# KiCad board SF_01 Compute Board.kicad_pcb (continued)
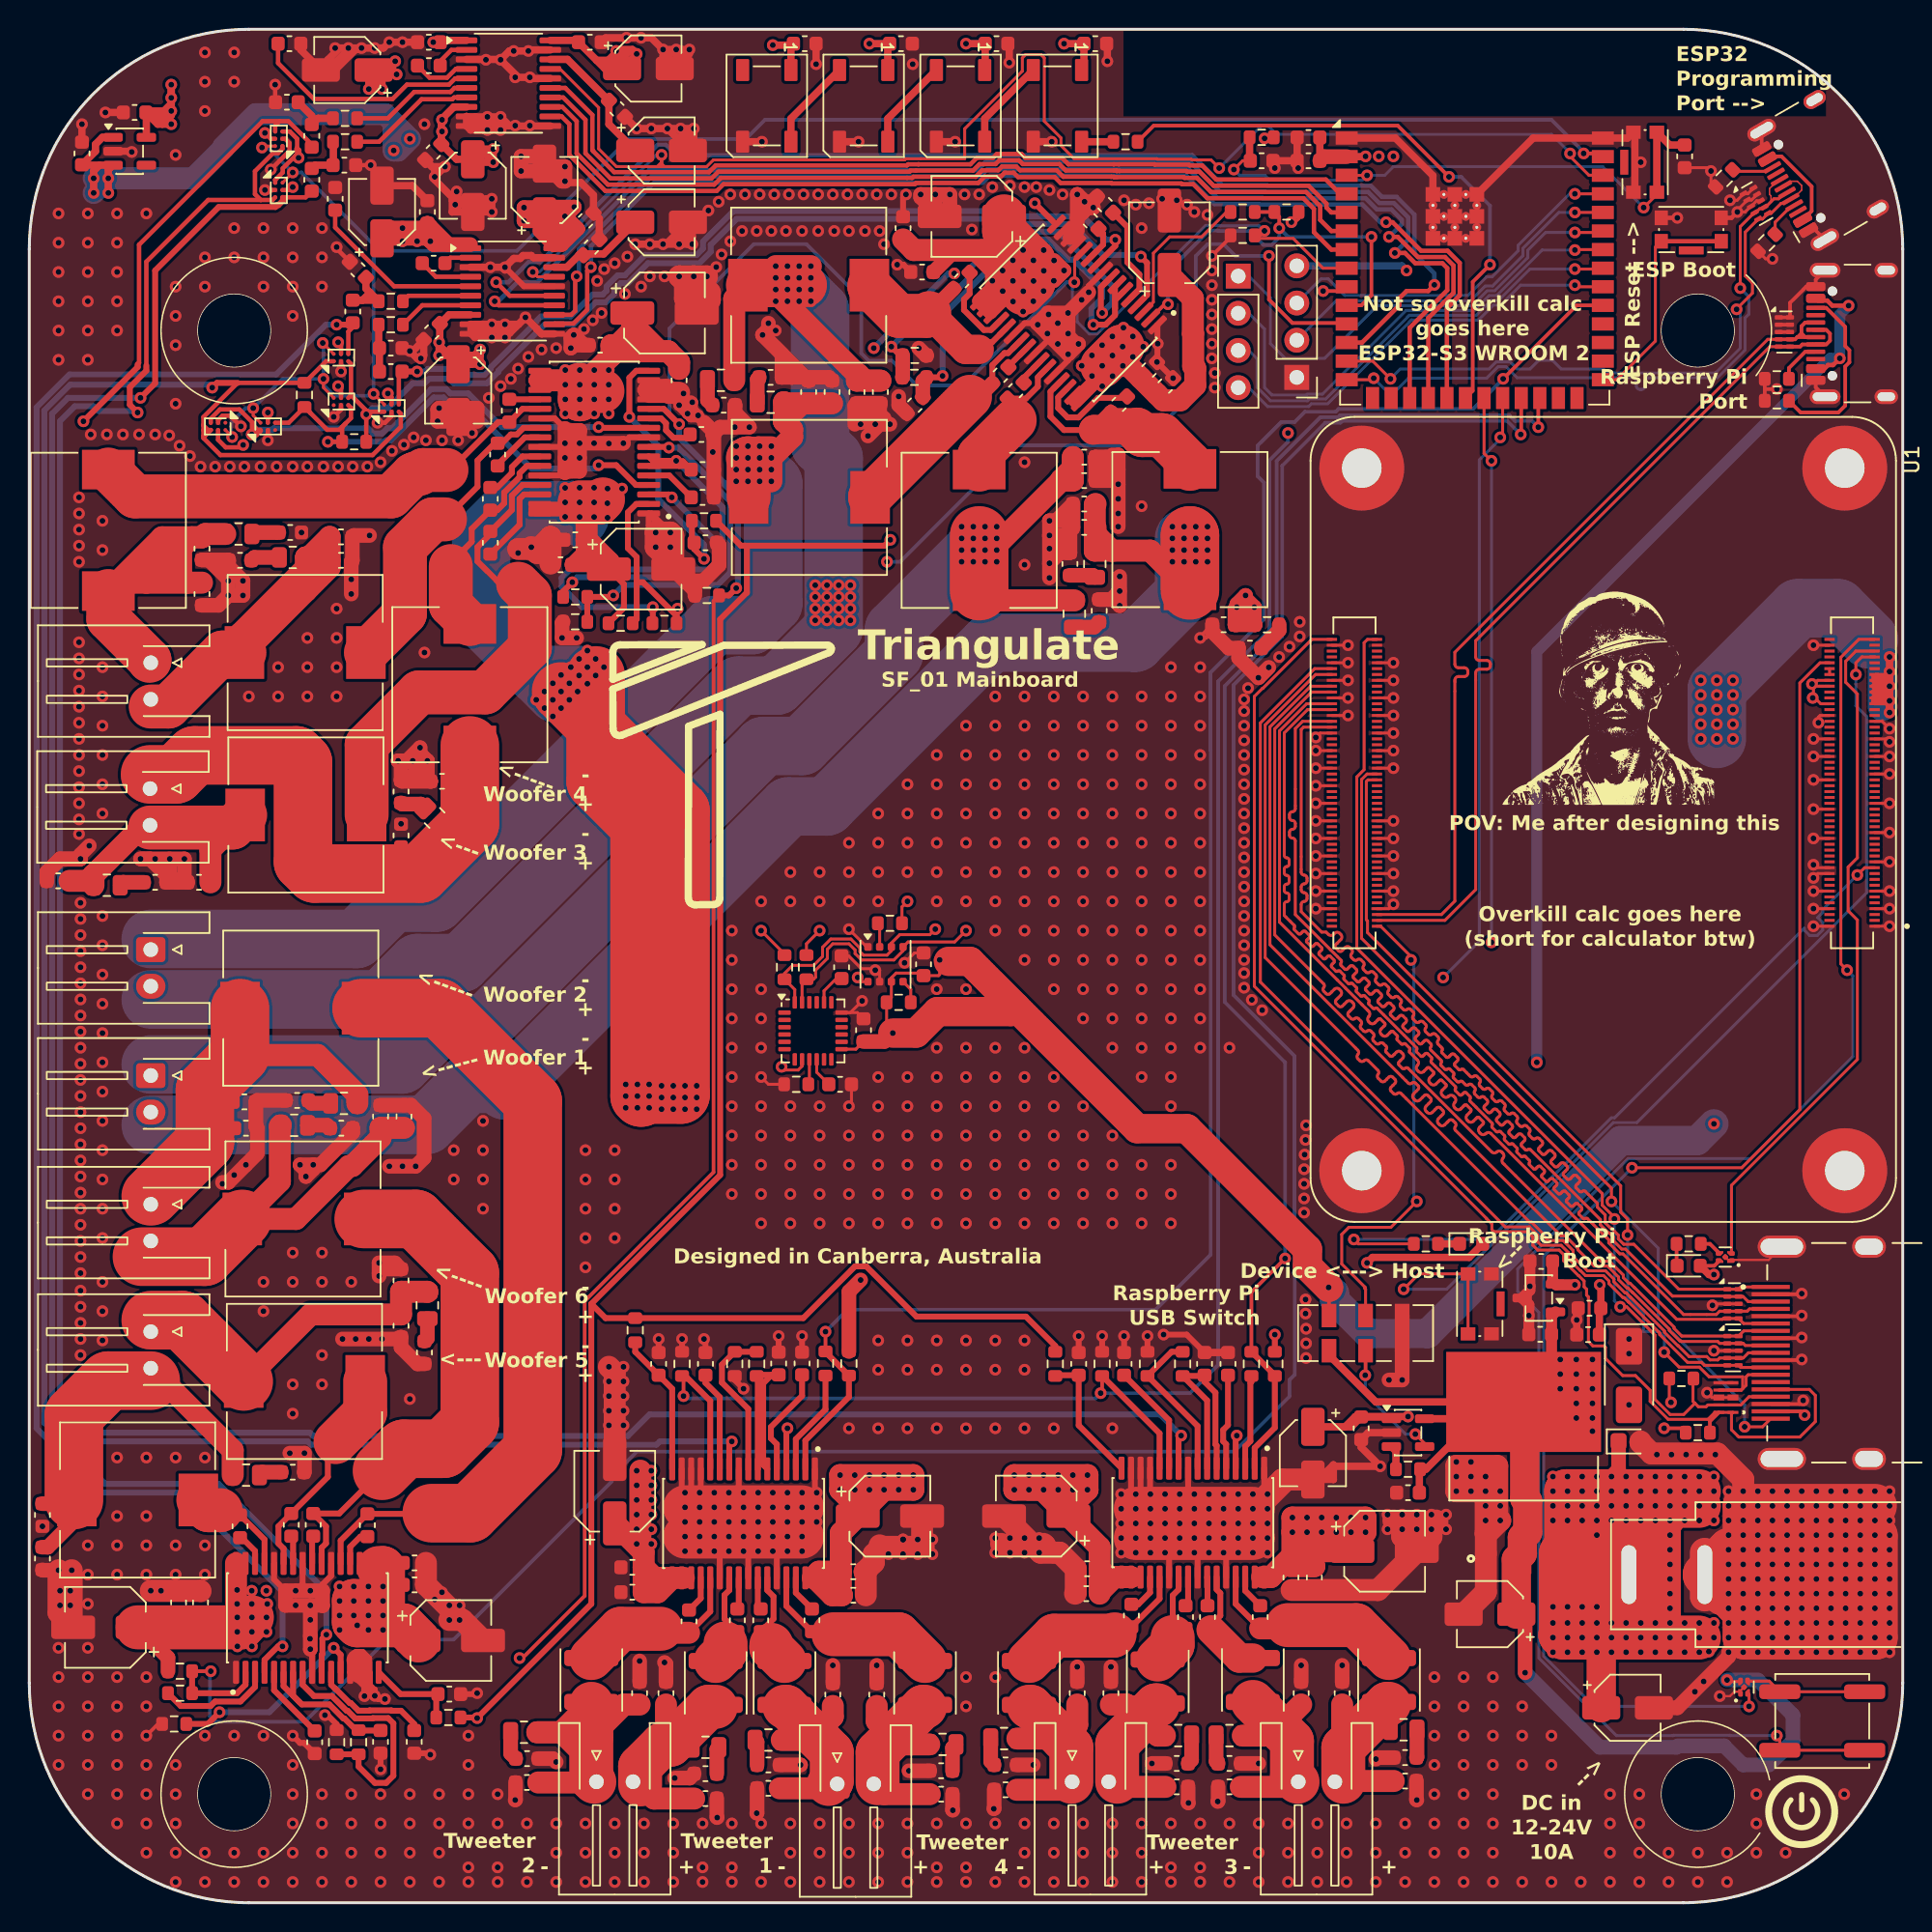
[diagram p0: board, top side]
## Library data of the parts
C1 C2 C4-C14 C17 C19-C21 C23 C24 C26 C28-C31 C34-C39 C42-C44 C46 C48-C50 C52 C53 C55-C72 C75-C77 C79-C82 C84-C99 C102 C103 C105-C109 C111-C128 C131 C132 C134-C138 C140-C160 C162-C166 C168-C186 C188 C190 = -: Description: Unpolarized capacitor; ki_fp_filters: C_*
C3 C15 C16 C18 C22 C25 C27 C32 C33 C40 C41 C51 C54 C78 C83 C104 C110 C133 C139 C161 C167 = -: Description: Polarized capacitor; ki_fp_filters: CP_*
C45 C47 = -: Description: Unpolarized capacitor; KiLib_Generator: SMD_2terminal_chip_molded; ki_fp_filters: C_*
C73 = -: Description: Polarized capacitor; KiLib_Generator: capacitor/SMD/elec_round_polarized; ki_fp_filters: CP_*
CR1 = -: ki_fp_filters: UDFEN-10_MO229_LTF UDFEN-10_MO229_LTF-M UDFEN-10_MO229_LTF-L
D1 = -: Datasheet: https://www.littelfuse.com/media?resourcetype=datasheets&itemid=75e32973-b177-4ee3-a0ff-cedaf1abdb93&filename=smaj-datasheet; Description: 400W bidirectional Transient Voltage Suppressor, 33.0Vr, SMA(DO-214AC); ki_fp_filters: D*SMA*
D2 D5-D7 = -: Datasheet: https://cdn-shop.adafruit.com/datasheets/WS2812B.pdf; Description: RGB LED with integrated controller; ki_fp_filters: LED*WS2812*PLCC*5.0x5.0mm*P3.2mm*
D3 D4 = -: Description: Light emitting diode; Sim.Pins: 1=K 2=A; ki_fp_filters: LED* LED_SMD:* LED_THT:*
J1 = -: MF: Stewart Connector; MAXIMUM_PACKAGE_HEIGHT: 6.18mm; Package: None; Price: None; Check_prices: https://www.snapeda.com/parts/SS-53200-001/Stewart+Connector/view-part/?ref=eda; STANDARD: Manufacturer Recommendations; PARTREV: A0; SnapEDA_Link: https://www.snapeda.com/parts/SS-53200-001/Stewart+Connector/view-part/?ref=snap; Description_1: HDMI 2.1 Jack | Right Angle | Without Flange | -20ºC to 85ºC; Availability: In Stock; MANUFACTURER: Stewart Connector
J2 = -: Description: DC Barrel Jack; ki_fp_filters: BarrelJack*
J3 J4 = -: Description: Generic connector, single row, 01x04, script generated; ki_fp_filters: Connector*:*_1x??_*
J5-J14 = -: Description: Generic connector, single row, 01x02, script generated; ki_fp_filters: Connector*:*_1x??_*
J15 J16 = -: Datasheet: https://www.usb.org/sites/default/files/documents/usb_type-c.zip; Description: USB 2.0-only 16P Type-C Receptacle connector; ki_fp_filters: USB*C*Receptacle*
L1-L12 = -: Description: Inductor; ki_fp_filters: Choke_* *Coil* Inductor_* L_*
L13-L20 = -: Description: Inductor; KiLib_Generator: inductor/SMD; ki_fp_filters: Choke_* *Coil* Inductor_* L_*
R1-R11 R14-R73 = -: Description: Resistor; ki_fp_filters: R_*
R12 = -: Description: Resistor; KiLib_Generator: SMD_2terminal_chip_molded; ki_fp_filters: R_*
SW1-SW4 = -: Description: Push button switch, generic, two pins
SW6 = -: Description: Switch, dual pole double throw, separate symbols; ki_fp_filters: SW*DPDT*
U1 = -: Description: Raspberry Pi Compute Module 4 with WiFi 2GB RAM 8GB Flash | Raspberry Pi CM4102008; MF: Raspberry Pi; MAXIMUM_PACKAGE_HEIGHT: 5.188 mm; Package: None; Price: None; Check_prices: https://www.snapeda.com/parts/CM4102008/Raspberry+Pi/view-part/?ref=eda; STANDARD: Manufacturer Recommendations; PARTREV: 2021-10-12; SnapEDA_Link: https://www.snapeda.com/parts/CM4102008/Raspberry+Pi/view-part/?ref=snap; Availability: Not in stock; MANUFACTURER: Raspberry Pi
U2 U3 U7 U10 = -: Datasheet: http://www.ti.com/lit/ds/symlink/tpd4e02b04.pdf; Description: 4-Channel ESD Protection Diode for USB Type-C and HDMI 2.0, USON-10; ki_fp_filters: USON*2.5x1.0mm*P0.5mm*
U4 = -: Datasheet: https://www.espressif.com/sites/default/files/documentation/esp32-s3-wroom-2_datasheet_en.pdf; Description: RF Module, 2.4 GHz, Wi­-Fi, Bluetooth, BLE, ESP32­-S3R8V; ki_fp_filters: ESP32?S3?WROOM?2*
U5 U14 = -: Datasheet: https://www.ti.com/lit/ds/symlink/pcm5102a.pdf; Description: 2.1 VRMS, 112dB Audio Stereo DAC with PLL and 32-bit, 384kHz PCM Interface, TSSOP-20; ki_fp_filters: TSSOP*4.4x6.5mm*P0.65mm*
U6 = -: Datasheet: https://www.richtek.com/assets/product_file/RT9742/DS9742-10.pdf; Description: High-side power switch, 0.5 A, SOT-23; ki_fp_filters: SOT?23*
U8 U9 = -: Datasheet: https://www.ti.com/lit/ds/symlink/sn74lvc1g07.pdf; Description: Single Buffer Gate, Open Drain, Low-Voltage CMOS; ki_fp_filters: SOT?23* Texas?R-PDSO-G5?DCK* Texas?R-PDSO-N5?DRL* Texas?X2SON*0.8x0.8mm*P0.48mm*
U11 = -: Datasheet: http://www.ti.com/lit/ds/symlink/lp5907.pdf; Description: 250-mA Ultra-Low-Noise Low-IQ LDO, 3.3V, SOT-23; ki_fp_filters: SOT?23*
U12 U13 U15 U16 U24-U26 = -: Datasheet: http://www.ti.com/lit/ds/symlink/ts5a3159a.pdf; Description: Single SPDT Analog Switch, 1.65-V to 5.5-V Single-Supply Operation, 1Ohm Ron, DSBGA-6; ki_fp_filters: Texas*DSBGA*0.9x1.4mm*2x3*P0.5mm*
U17-U19 = -: Description: 50-W stereo, 100-W mono, 4.5- to 26-V supply, analog input Class-D audio amplifier w/ SpeakerGuard™; MF: Texas Instruments; Package: HTSSOP-32 Texas Instruments; Price: None; Check_prices: https://www.snapeda.com/parts/TPA3116D2DAD/Texas+Instruments/view-part/?ref=eda; MAXIMUM_PACKAGE_HIEGHT: 1.15mm; STANDARD: IPC7351B; PARTREV: G; SnapEDA_Link: https://www.snapeda.com/parts/TPA3116D2DAD/Texas+Instruments/view-part/?ref=snap; Availability: In Stock; MANUFACTURER: Texas Instruments
U20 U21 = -: Description: 50-W stereo, 100-W mono, 4.5- to 26-V supply, analog input Class-D audio amplifier w/ SpeakerGuard™; MF: Texas Instruments; Package: HTSSOP-32 Texas Instruments; Price: None; Check_prices: https://www.snapeda.com/parts/TPA3116D2DAD/Texas+Instruments/view-part/?ref=eda; MAXIMUM_PACKAGE_HIEGHT: 1.15mm; STANDARD: IPC7351B; PARTREV: G; SnapEDA_Link: https://www.snapeda.com/parts/TPA3116D2DAD/Texas+Instruments/view-part/?ref=snap; MP: TPA3116D2DAD; Availability: In Stock; MANUFACTURER: Texas Instruments
U22 = -: Datasheet: https://invensense.tdk.com/wp-content/uploads/2015/02/MPU-6000-Datasheet1.pdf; Description: InvenSense 6-Axis Motion Sensor, Gyroscope, Accelerometer, I2C; ki_fp_filters: *QFN*4x4mm*P0.5mm*
U23 = -: Datasheet: https://ae-bst.resource.bosch.com/media/_tech/media/datasheets/BST-BME680-DS001.pdf; Description: 4-in-1 sensor, gas, humidity, pressure, temperature, I2C and SPI interface, 1.71-3.6V, LGA-8; ki_fp_filters: *LGA*3x3mm*P0.8mm*Clockwise*
U27 = -: Datasheet: http://www.ti.com/lit/ds/symlink/tps2041.pdf; Description: Single power-distribution switcher; KiLib_Generator: package/gullwing; ki_fp_filters: SOT?23*
VR1 = -: Description: 3-A, 29-V, linear voltage regulator; MF: Texas Instruments; MAXIMUM_PACKAGE_HEIGHT: 4.64 mm; Package: TO263-3 Texas Instruments; Price: None; Check_prices: https://www.snapeda.com/parts/LM1085ISX-5.0/NOPB/Texas+Instruments/view-part/?ref=eda; STANDARD: IPC-7351B; PARTREV: I; SnapEDA_Link: https://www.snapeda.com/parts/LM1085ISX-5.0/NOPB/Texas+Instruments/view-part/?ref=snap; MP: LM1085ISX-5.0/NOPB; Availability: In Stock; MANUFACTURER: Texas Instruments

## Footprints (pads in the part's own frame, mm; a bottom-side part is the same pattern mirrored in y, then rotated)
BarrelJack_SwitchcraftConxall_RAPC10U_Horizontal
  rect 2.02x5.02 hole 1.02x4.02: 1(0,0)
  oval 2.02x5.02 hole 1.02x4.02: 2(-5.18,0)
Bosch_LGA-8_3x3mm_P0.8mm_ClockwisePinNumbering
  rrect 0.5x0.525 smd: 1(-1.2,1.188) 2(-0.4,1.188) 3(0.4,1.188) 4(1.2,1.188) 5(1.2,-1.188) 6(0.4,-1.188) 7(-0.4,-1.188) 8(-1.2,-1.188)
C_0603_1608Metric
  rrect 0.9x0.95 smd: 1(-0.775,0) 2(0.775,0)
CP_EIA-1608-08_AVX-J
  rrect 1.09x1.13 smd: 1(-0.715,0) 2(0.715,0)
CP_Elec_4x3
  rrect 2.6x1.6 smd: 1(-1.8,0) 2(1.8,0)
CP_Elec_5x5.3
  rrect 3x1.6 smd: 1(-2.2,0) 2(2.2,0)
D_SMA
  rrect 2.5x1.8 smd: 1(-2,0) 2(2,0)
ESP32-S3-WROOM-2
  rect 1.5x0.9 smd: 1(-8.75,5.26) 2(-8.75,3.99) 3(-8.75,2.72) 4(-8.75,1.45) 5(-8.75,0.18) 6(-8.75,-1.09) 7(-8.75,-2.36) 8(-8.75,-3.63) 9(-8.75,-4.9) 10(-8.75,-6.17) 11(-8.75,-7.44) 12(-8.75,-8.71) 13(-8.75,-9.98) 14(-8.75,-11.25) 27(8.75,-11.25) 28(8.75,-9.98) 29(8.75,-8.71) 30(8.75,-7.44) 31(8.75,-6.17) 32(8.75,-4.9) 33(8.75,-3.63) 34(8.75,-2.36) 35(8.75,-1.09) 36(8.75,0.18) 37(8.75,1.45) 38(8.75,2.72) 39(8.75,3.99) 40(8.75,5.26)
  rect 0.9x1.5 smd: 15(-6.985,-12.5) 16(-5.715,-12.5) 17(-4.445,-12.5) 18(-3.175,-12.5) 19(-1.905,-12.5) 20(-0.635,-12.5) 21(0.635,-12.5) 22(1.905,-12.5) 23(3.175,-12.5) 24(4.445,-12.5) 25(5.715,-12.5) 26(6.985,-12.5)
  rect 1x1 smd: 41(-2.86,1.41) 41(-2.86,-0.09) 41(-2.86,-1.59) 41(-1.36,1.41) 41(-1.36,-0.09) 41(-1.36,-1.59) 41(0.14,1.41) 41(0.14,-0.09) 41(0.14,-1.59)
  round 0.6 hole 0.2: 41(-2.86,0.66) 41(-2.86,-0.84) 41(-2.11,1.41) 41(-2.11,-0.09) 41(-2.11,-1.59) 41(-1.36,0.66) 41(-1.36,-0.84) 41(-0.61,1.41) 41(-0.61,-0.09) 41(-0.61,-1.59) 41(0.14,0.66) 41(0.14,-0.84)
InvenSense_QFN-24_4x4mm_P0.5mm
  rrect 0.85x0.3 smd: 1(-1.95,1.25) 2(-1.95,0.75) 3(-1.95,0.25) 4(-1.95,-0.25) 5(-1.95,-0.75) 6(-1.95,-1.25) 13(1.95,-1.25) 14(1.95,-0.75) 15(1.95,-0.25) 16(1.95,0.25) 17(1.95,0.75) 18(1.95,1.25)
  rrect 0.3x0.85 smd: 7(-1.25,-1.95) 8(-0.75,-1.95) 9(-0.25,-1.95) 10(0.25,-1.95) 11(0.75,-1.95) 12(1.25,-1.95) 19(1.25,1.95) 20(0.75,1.95) 21(0.25,1.95) 22(-0.25,1.95) 23(-0.75,1.95) 24(-1.25,1.95)
JST_XH_S2B-XH-A-1_1x02_P2.50mm_Horizontal
  rrect 1.7x2 hole 1: 1(0,0)
  oval 1.7x2 hole 1: 2(2.5,0)
L_10.4x10.4_H4.8
  rect 2.7x3.6 smd: 1(-4.15,0) 2(4.15,0)
L_APV_ANR4020
  rrect 1.1x3.7 smd: 1(-1.5,0) 2(1.5,0)
LED_0603_1608Metric
  rrect 0.875x0.95 smd: 1(-0.787,0) 2(0.787,0)
LED_WS2812B_PLCC4_5.0x5.0mm_P3.2mm
  rrect 1.5x0.9 smd: 1(-2.45,1.65) 2(-2.45,-1.65) 3(2.45,-1.65) 4(2.45,1.65)
MODULE_CM4102008
  rect 0.2x0.7 smd: 1(7.3,18.54) 2(7.3,15.46) 3(6.9,18.54) 4(6.9,15.46) 5(6.5,18.54) 6(6.5,15.46) 7(6.1,18.54) 8(6.1,15.46) 9(5.7,18.54) 10(5.7,15.46) 11(5.3,18.54) 12(5.3,15.46) 13(4.9,18.54) 14(4.9,15.46) 15(4.5,18.54) 16(4.5,15.46) 17(4.1,18.54) 18(4.1,15.46) 19(3.7,18.54) 20(3.7,15.46) 21(3.3,18.54) 22(3.3,15.46) 23(2.9,18.54) 24(2.9,15.46) 25(2.5,18.54) 26(2.5,15.46) 27(2.1,18.54) 28(2.1,15.46) 29(1.7,18.54) 30(1.7,15.46) 31(1.3,18.54) 32(1.3,15.46) 33(0.9,18.54) 34(0.9,15.46) 35(0.5,18.54) 36(0.5,15.46) 37(0.1,18.54) 38(0.1,15.46) 39(-0.3,18.54) 40(-0.3,15.46) 41(-0.7,18.54) 42(-0.7,15.46) 43(-1.1,18.54) 44(-1.1,15.46) 45(-1.5,18.54) 46(-1.5,15.46) 47(-1.9,18.54) 48(-1.9,15.46) 49(-2.3,18.54) 50(-2.3,15.46) 51(-2.7,18.54) 52(-2.7,15.46) 53(-3.1,18.54) 54(-3.1,15.46) 55(-3.5,18.54) 56(-3.5,15.46) 57(-3.9,18.54) 58(-3.9,15.46) 59(-4.3,18.54) 60(-4.3,15.46) 61(-4.7,18.54) 62(-4.7,15.46) 63(-5.1,18.54) 64(-5.1,15.46) 65(-5.5,18.54) 66(-5.5,15.46) 67(-5.9,18.54) 68(-5.9,15.46) 69(-6.3,18.54) 70(-6.3,15.46) 71(-6.7,18.54) 72(-6.7,15.46) 73(-7.1,18.54) 74(-7.1,15.46) 75(-7.5,18.54) 76(-7.5,15.46) 77(-7.9,18.54) 78(-7.9,15.46) 79(-8.3,18.54) 80(-8.3,15.46) 81(-8.7,18.54) 82(-8.7,15.46) 83(-9.1,18.54) 84(-9.1,15.46) 85(-9.5,18.54) 86(-9.5,15.46) 87(-9.9,18.54) 88(-9.9,15.46) 89(-10.3,18.54) 90(-10.3,15.46) 91(-10.7,18.54) 92(-10.7,15.46) 93(-11.1,18.54) 94(-11.1,15.46) 95(-11.5,18.54) 96(-11.5,15.46) 97(-11.9,18.54) 98(-11.9,15.46) 99(-12.3,18.54) 100(-12.3,15.46) 101(7.3,-15.46) 102(7.3,-18.54) 103(6.9,-15.46) 104(6.9,-18.54) 105(6.5,-15.46) 106(6.5,-18.54) 107(6.1,-15.46) 108(6.1,-18.54) 109(5.7,-15.46) 110(5.7,-18.54) 111(5.3,-15.46) 112(5.3,-18.54) 113(4.9,-15.46) 114(4.9,-18.54) 115(4.5,-15.46) 116(4.5,-18.54) 117(4.1,-15.46) 118(4.1,-18.54) 119(3.7,-15.46) 120(3.7,-18.54) 121(3.3,-15.46) 122(3.3,-18.54) 123(2.9,-15.46) 124(2.9,-18.54) 125(2.5,-15.46) 126(2.5,-18.54) 127(2.1,-15.46) 128(2.1,-18.54) 129(1.7,-15.46) 130(1.7,-18.54) 131(1.3,-15.46) 132(1.3,-18.54) 133(0.9,-15.46) 134(0.9,-18.54) 135(0.5,-15.46) 136(0.5,-18.54) 137(0.1,-15.46) 138(0.1,-18.54) 139(-0.3,-15.46) 140(-0.3,-18.54) 141(-0.7,-15.46) 142(-0.7,-18.54) 143(-1.1,-15.46) 144(-1.1,-18.54) 145(-1.5,-15.46) 146(-1.5,-18.54) 147(-1.9,-15.46) 148(-1.9,-18.54) 149(-2.3,-15.46) 150(-2.3,-18.54) 151(-2.7,-15.46) 152(-2.7,-18.54) 153(-3.1,-15.46) 154(-3.1,-18.54) 155(-3.5,-15.46) 156(-3.5,-18.54) 157(-3.9,-15.46) 158(-3.9,-18.54) 159(-4.3,-15.46) 160(-4.3,-18.54) 161(-4.7,-15.46) 162(-4.7,-18.54) 163(-5.1,-15.46) 164(-5.1,-18.54) 165(-5.5,-15.46) 166(-5.5,-18.54) 167(-5.9,-15.46) 168(-5.9,-18.54) 169(-6.3,-15.46) 170(-6.3,-18.54) 171(-6.7,-15.46) 172(-6.7,-18.54) 173(-7.1,-15.46) 174(-7.1,-18.54) 175(-7.5,-15.46) 176(-7.5,-18.54) 177(-7.9,-15.46) 178(-7.9,-18.54) 179(-8.3,-15.46) 180(-8.3,-18.54) 181(-8.7,-15.46) 182(-8.7,-18.54) 183(-9.1,-15.46) 184(-9.1,-18.54) 185(-9.5,-15.46) 186(-9.5,-18.54) 187(-9.9,-15.46) 188(-9.9,-18.54) 189(-10.3,-15.46) 190(-10.3,-18.54) 191(-10.7,-15.46) 192(-10.7,-18.54) 193(-11.1,-15.46) 194(-11.1,-18.54) 195(-11.5,-15.46) 196(-11.5,-18.54) 197(-11.9,-15.46) 198(-11.9,-18.54) 199(-12.3,-15.46) 200(-12.3,-18.54)
  round 5.8 hole 2.7: SH1(-24,16.5) SH2(24,16.5) SH3(-24,-16.5) SH4(24,-16.5)
PinHeader_1x04_P2.54mm_Vertical
  rect 1.7x1.7 hole 1: 1(0,0)
  round 1.7 hole 1: 2(0,-2.54) 3(0,-5.08) 4(0,-7.62)
R_0603_1608Metric
  rrect 0.8x0.95 smd: 1(-0.825,0) 2(0.825,0)
R_0805_2012Metric
  rrect 1.025x1.4 smd: 1(-0.912,0) 2(0.912,0)
SOP65P810X115-32N
  rrect 1.57x0.41 smd: 1(-3.72,4.875) 2(-3.72,4.225) 3(-3.72,3.575) 4(-3.72,2.925) 5(-3.72,2.275) 6(-3.72,1.625) 7(-3.72,0.975) 8(-3.72,0.325) 9(-3.72,-0.325) 10(-3.72,-0.975) 11(-3.72,-1.625) 12(-3.72,-2.275) 13(-3.72,-2.925) 14(-3.72,-3.575) 15(-3.72,-4.225) 16(-3.72,-4.875) 17(3.72,-4.875) 18(3.72,-4.225) 19(3.72,-3.575) 20(3.72,-2.925) 21(3.72,-2.275) 22(3.72,-1.625) 23(3.72,-0.975) 24(3.72,-0.325) 25(3.72,0.325) 26(3.72,0.975) 27(3.72,1.625) 28(3.72,2.275) 29(3.72,2.925) 30(3.72,3.575) 31(3.72,4.225) 32(3.72,4.875)
SOT-23-3
  rrect 1.325x0.6 smd: 1(-1.137,0.95) 2(-1.137,-0.95) 3(1.137,0)
SOT-23-5
  rrect 1.325x0.6 smd: 1(-1.137,0.95) 2(-1.137,0) 3(-1.137,-0.95) 4(1.137,-0.95) 5(1.137,0.95)
STEWART_SS-53200-001
  rect 0.28x2.6 smd: 1(4.5,6.72) 2(4,6.72) 3(3.5,6.72) 4(3,6.72) 5(2.5,6.72) 6(2,6.72) 7(1.5,6.72) 8(1,6.72) 9(0.5,6.72) 10(0,6.72) 11(-0.5,6.72) 12(-1,6.72) 13(-1.5,6.72) 14(-2,6.72) 15(-2.5,6.72) 16(-3,6.72) 17(-3.5,6.72) 18(-4,6.72) 19(-4.5,6.72)
  oval 1.5x3.3 hole 1.1x2.9: SH1(-7.25,5.96) SH2(7.25,5.96)
  oval 1.5x2.3 hole 1.1x1.9: SH3(-7.25,0) SH4(7.25,0)
SW_DPDT_CK_JS202011JCQN
  rect 1x1.6 smd: 1(-2.5,1.2) 2(0,1.2) 3(2.5,1.2) 4(-2.5,-1.2) 5(0,-1.2) 6(2.5,-1.2)
SW_Push_1P1T-SH_NO_CK_KMR2xxG
  rect 0.9x1 smd: 1(-2.05,0.8) 1(2.05,0.8) 2(-2.05,-0.8) 2(2.05,-0.8)
  rect 1.7x0.55 smd: SH(0,1.425)
SW_Push_1P1T_NO_CK_KSC9xxJ
  rrect 2.8x1 smd: 1(-2.9,2) 1(2.9,2) 2(-2.9,-2) 2(2.9,-2)
Texas_DSBGA-6_0.9x1.4mm_Layout2x3_P0.5mm
  rect 0.3x0.3 smd: (-0.25,0.5) (-0.25,0) (-0.25,-0.5) (0.25,0.5) (0.25,0) (0.25,-0.5)
  round 0.265 smd: A1(-0.25,0.5) A2(0.25,0.5) B1(-0.25,0) B2(0.25,0) C1(-0.25,-0.5) C2(0.25,-0.5)
Texas_X2SON-5_0.8x0.8mm_P0.48mm
  custom 0.42x0.22 smd: (-0.39,0.24) (-0.39,-0.24) (0.39,0.24) (0.39,-0.24)
  custom 0.52x0.32 smd: 1(-0.39,0.24) 2(-0.39,-0.24) 4(0.39,-0.24) 5(0.39,0.24)
  rrect 0.35x0.35 smd rot 45: 3(0,0)
TO254P1435X464-4N
  rect 2.79x1.05 smd: 1(-6.19,2.54) 2(-6.19,0) 3(-6.19,-2.54)
  rect 6.84x10.58 smd: 4(4.16,0)
TSSOP-20_4.4x6.5mm_P0.65mm
  rrect 1.475x0.4 smd: 1(-2.862,2.925) 2(-2.862,2.275) 3(-2.862,1.625) 4(-2.862,0.975) 5(-2.862,0.325) 6(-2.862,-0.325) 7(-2.862,-0.975) 8(-2.862,-1.625) 9(-2.862,-2.275) 10(-2.862,-2.925) 11(2.862,-2.925) 12(2.862,-2.275) 13(2.862,-1.625) 14(2.862,-0.975) 15(2.862,-0.325) 16(2.862,0.325) 17(2.862,0.975) 18(2.862,1.625) 19(2.862,2.275) 20(2.862,2.925)
UDFEN-10_MO229_LTF
  rect 0.737x0.203 smd: 1(-0.483,1.016) 2(-0.483,0.508) 4(-0.483,-0.508) 5(-0.483,-1.016) 6(0.483,-1.016) 7(0.483,-0.508) 9(0.483,0.508) 10(0.483,1.016)
  rect 0.737x0.406 smd: 3(-0.483,0) 8(0.483,0)
USB_C_Receptacle_HCTL_HC-TYPE-C-16P-01A
  round 0.65 hole 0.65 unplated: (-2.89,2.605) (2.89,2.605)
  rrect 0.6x1.3 smd: A1(-3.2,3.745) A4(-2.4,3.745) A9(2.4,3.745) A12(3.2,3.745) B1(3.2,3.745) B4(2.4,3.745) B9(-2.4,3.745) B12(-3.2,3.745)
  rrect 0.3x1.3 smd: A5(-1.25,3.745) A6(-0.25,3.745) A7(0.25,3.745) A8(1.25,3.745) B5(1.75,3.745) B6(0.75,3.745) B7(-0.75,3.745) B8(-1.75,3.745)
  oval 1x2.1 hole 0.6x1.7: SH(-4.32,3.105) SH(4.32,3.105)
  oval 1x1.6 hole 0.6x1.2: SH(-4.32,-1.075) SH(4.32,-1.075)
USB_C_Receptacle_HCTL_HC-TYPE-C-16P-01A#2
  round 0.65 hole 0.65 unplated: (-2.89,2.605) (2.89,2.605)
  rrect 0.6x1.3 smd: A1(-3.2,3.745) A4(-2.4,3.745) A9(2.4,3.745) A12(3.2,3.745) B1(3.2,3.745) B4(2.4,3.745) B9(-2.4,3.745) B12(-3.2,3.745)
  rrect 0.3x1.3 smd: A5(-1.25,3.745) A6(-0.25,3.745) A7(0.25,3.745) A8(1.25,3.745) B5(1.75,3.745) B6(0.75,3.745) B7(-0.75,3.745) B8(-1.75,3.745)
  oval 1x2.1 hole 0.6x1.7: SH(-4.32,3.105) SH(4.32,3.105)
  oval 1x1.6 hole 0.6x1.2: SH(-4.32,-1.075) SH(4.32,-1.075)
USON-10_2.5x1.0mm_P0.5mm
  rrect 0.55x0.3 smd: 1(-0.385,1) 2(-0.385,0.5) 3(-0.385,0) 4(-0.385,-0.5) 5(-0.385,-1) 6(0.385,-1) 7(0.385,-0.5) 8(0.385,0) 9(0.385,0.5) 10(0.385,1)

## Nets
3V3: C6.1 C7.1 C18.1 C19.2 C25.1 C26.2 C37.2 C38.2 C39.2 C42.2 C185.1 C186.1 D2.1 D3.2 D4.2 D5.1 D6.1 D7.1 J3.4 R1.2 R2.2 R4.1 R67.1 R68.2 R70.1 R71.2 SW6.1 U1.78 U1.84 U1.86 U4.2 U5.20 U9.5 U14.20 U22.8 U22.13 U23.6 U23.8
3V3_A: C13.2 C14.2 C15.1 C16.1 C17.2 C27.1 C28.2 C31.2 C32.1 U5.1 U5.8 U11.5 U12.B2 U13.B2 U14.1 U14.8 U15.B2 U16.B2 U24.B2 U25.B2 U26.B2
GND: C1.2 C2.2 C3.2 C4.2 C5.2 C6.2 C7.2 C8.1 C9.2 C10.2 C11.1 C12.1 C13.1 C14.1 C15.2 C16.2 C17.1 C18.2 C19.1 C21.2 C22.2 C23.1 C24.2 C25.2 C26.1 C27.2 C28.1 C30.2 C31.1 C32.2 C33.2 C34.1 C35.1 C36.2 C37.1 C38.1 C39.1 C40.2 C41.2 C42.1 C43.2 C44.1 C45.1 C46.1 C47.1 C48.1 C49.2 C50.2 C51.2 C52.2 C53.2 C54.2 C59.1 C60.2 C61.1 C62.2 C63.2 C64.1 C65.1 C66.2 C67.1 C68.2 C69.1 C70.2 C71.2 C72.2 C73.2 C75.1 C76.1 C77.1 C78.2 C79.2 C80.2 C81.2 C82.2 C83.2 C88.1 C89.2 C90.1 C91.2 C92.1 C93.2 C94.1 C95.2 C96.1 C97.2 C98.1 C99.2 C102.1 C103.1 C104.2 C105.1 C106.2 C107.2 C108.2 C109.2 C110.2 C115.1 C116.2 C117.1 C118.2 C119.1 C120.2 C121.1 C122.2 C123.1 C124.2 C125.1 C126.2 C127.2 C128.2 C131.1 C132.1 C133.2 C134.1 C135.2 C136.2 C137.2 C138.2 C139.2 C140.2 C145.1 C146.2 C147.1 C148.2 C149.1 C150.2 C151.1 C152.2 C153.1 C154.2 C155.1 C156.2 C159.1 C160.1 C161.2 C162.1 C163.2 C164.2 C165.2 C166.2 C167.2 C168.2 C173.1 C174.2 C175.1 C176.2 C177.1 C178.2 C179.1 C180.2 C181.1 C182.2 C183.1 C184.2 C185.2 C186.2 CR1.3 CR1.5 CR1.6 CR1.8 D1.1 D2.3 D5.3 D6.3 D7.3 J1.2 J1.5 J1.8 J1.11 J1.17 J1.SH1 J1.SH2 J1.SH3 J1.SH4 J2.2 J3.1 J15.A1 J15.A12 J15.B1 J15.B12 J15.SH J16.A1 J16.A12 J16.B1 J16.B12 J16.SH R3.1 R7.1 R19.1 R20.1 R27.1 R29.1 R36.1 R38.1 R46.1 R48.1 R56.1 R58.1 R65.1 R66.1 R69.2 SW2.1 SW3.2 SW4.1 SW6.3 SW6.6 U1.1 U1.2 U1.7 U1.8 U1.13 U1.14 U1.20 U1.22 U1.23 U1.32 U1.33 U1.42 U1.43 U1.52 U1.53 U1.59 U1.60 U1.65 U1.66 U1.71 U1.74 U1.98 U1.107 U1.108 U1.113 U1.114 U1.119 U1.120 U1.125 U1.126 U1.131 U1.132 U1.137 U1.138 U1.144 U1.150 U1.155 U1.156 U1.161 U1.162 U1.167 U1.168 U1.173 U1.174 U1.179 U1.180 U1.185 U1.186 U1.191 U1.192 U1.197 U1.198 U1.SH1 U1.SH2 U1.SH3 U1.SH4 U2.3 U2.8 U3.3 U3.8 U4.1 U4.40 U4.41 U5.3 U5.9 U5.10 U5.11 U5.16 U5.19 U6.3 U7.1 U7.2 U7.3 U7.8 U7.9 U7.10 U8.3 U9.3 U10.1 U10.2 U10.3 U10.8 U10.9 U10.10 U11.2 U12.B1 U13.B1 U14.3 U14.9 U14.10 U14.11 U14.16 U14.19 U15.B1 U16.B1 U17.1 U17.9 U17.13 U17.14 U17.15 U17.22 U17.25 U17.28 U18.1 U18.9 U18.13 U18.14 U18.15 U18.22 U18.25 U18.28 U19.1 U19.9 U19.13 U19.14 U19.15 U19.22 U19.25 U19.28 U20.1 U20.9 U20.13 U20.14 U20.15 U20.22 U20.25 U20.28 U21.1 U21.9 U21.13 U21.14 U21.15 U21.22 U21.25 U21.28 U22.18 U23.1 U23.7 U24.B1 U25.B1 U26.B1 U27.2 VR1.1
VBUS: C47.2 C73.1 J15.A4 J15.A9 J15.B4 J15.B9 U27.1
/DATA0N: J1.9 U1.184 U2.2 U2.9
/DATA0P: J1.7 U1.182 U2.1 U2.10
/DATA1N: J1.6 U1.178 U3.5 U3.6
/DATA1P: J1.4 U1.176 U3.4 U3.7
/DATA2N: J1.3 U1.172 U3.2 U3.9
/DATA2P: J1.1 U1.170 U3.1 U3.10
/DATA3N: J1.12 U1.190 U2.5 U2.6
/DATA3P: J1.10 U1.188 U2.4 U2.7
/ESP32 Circuit/ORIENTATION_SWITCH: U4.39 U12.A2 U13.A2 U15.A2 U16.A2 U24.A2 U25.A2 U26.A2
/ESP32 Circuit/USBC2_DN: J16.A7 J16.B7 U4.13 U10.5 U10.6
/ESP32 Circuit/USBC2_DP: J16.A6 J16.B6 U4.14 U10.4 U10.7
/USBC1_DN: J15.A7 J15.B7 U1.103 U7.5 U7.6
/USBC1_DP: J15.A6 J15.B6 U1.105 U7.4 U7.7
AMP_CLK_SYNC: R25.1 R44.1 R49.1 R59.1 U17.16
CM4_1.8V(OUTPUT): U1.88 U1.90
HDMI_5V: C1.1 C2.1 C5.1 D1.2 J1.18 U6.2
MPU_INT: U22.12
PWR_LED: U1.95 U9.2
SCL: R68.1 U4.21 U22.23 U23.4
SDA: R67.2 U4.22 U22.24 U23.3
SYS_5V: C4.1 C12.2 C40.1 C45.2 R12.1 SW6.4 U1.77 U1.79 U1.81 U1.83 U1.85 U1.87 U6.1 U8.5 U11.1 U11.3 U27.5 VR1.2 VR1.4
TWEETER_1: U12.A1 U20.4 U24.C1
TWEETER_2: C157.2 U12.C2 U20.10
TWEETER_3: C158.2 U21.4 U24.C2
TWEETER_4: U12.C1 U21.10 U24.A1
TWEETER_MUTE: R46.2 R56.2 U4.9 U20.12 U21.12
TWT_1_2_SHDN: R45.2 R50.2 U4.31 U20.2
TWT_3_4_SHDN: R55.2 R60.2 U4.24 U21.2
VSYS: C3.1 C24.1 C41.1 C49.1 C50.1 C51.1 C52.1 C53.1 C54.1 C78.1 C79.1 C80.1 C81.1 C82.1 C83.1 C104.1 C106.1 C107.1 C108.1 C109.1 C110.1 C133.1 C135.1 C136.1 C137.1 C138.1 C139.1 C161.1 C163.1 C164.1 C165.1 C166.1 C167.1 J2.1 R15.1 R16.1 R26.1 R35.1 R45.1 R55.1 U17.17 U17.18 U17.19 U17.31 U17.32 U18.17 U18.18 U18.19 U18.31 U18.32 U19.17 U19.18 U19.19 U19.31 U19.32 U20.17 U20.18 U20.19 U20.31 U20.32 U21.17 U21.18 U21.19 U21.31 U21.32 VR1.3
WFR_1_2_SHDN: R16.2 R17.2 U4.10 U17.2
WFR_3_4_SHDN: R26.2 R30.2 U4.11 U18.2
WFR_5_6_SHDN: R35.2 R39.2 U4.23 U19.2
WOOFER_1: R73.1 U13.C1 U15.C2 U17.4 U25.A1
WOOFER_2: C190.2 U17.10 U25.C2
WOOFER_3: R72.1 R73.2 U15.C1 U16.C2 U18.4
WOOFER_4: U16.A1 U18.10 U26.C1
WOOFER_5: C188.2 U13.C2 U19.4
WOOFER_6: R72.2 U13.A1 U19.10 U25.C1 U26.C2
WOOFER_MUTE: R20.2 R27.2 R36.2 U4.8 U17.12 U18.12 U19.12
Net-(C10-Pad1): C10.1 C157.1 R9.2
Net-(C11-Pad2): C11.2 C158.1 R8.2
Net-(C43-Pad1): C43.1 R15.2
Net-(C63-Pad1): C63.1 R22.1
Net-(C64-Pad2): C64.2 R21.2
Net-(C69-Pad2): C69.2 R23.2
Net-(C70-Pad1): C70.1 R24.1
Net-(C96-Pad2): C96.2 R31.2
Net-(C97-Pad1): C97.1 R32.1
Net-(C98-Pad2): C98.2 R33.2
Net-(C99-Pad1): C99.1 R34.1
Net-(C123-Pad2): C123.2 R40.2
Net-(C124-Pad1): C124.1 R41.1
Net-(C125-Pad2): C125.2 R42.2
Net-(C126-Pad1): C126.1 R43.1
Net-(C153-Pad2): C153.2 R51.2
Net-(C154-Pad1): C154.1 R52.1
Net-(C155-Pad2): C155.2 R53.2
Net-(C156-Pad1): C156.1 R54.1
Net-(C181-Pad2): C181.2 R61.2
Net-(C182-Pad1): C182.1 R62.1
Net-(C183-Pad2): C183.2 R63.2
Net-(C184-Pad1): C184.1 R64.1
Net-(C188-Pad1): C35.2 C188.1 R10.2
Net-(C190-Pad1): C36.1 C190.1 R11.2
Net-(D2-DIN): D2.4 R14.1
Net-(D2-DOUT): D2.2 D5.4
Net-(D3-K): D3.1 R5.2
Net-(D4-K): D4.1 R6.2
Net-(D5-DOUT): D5.2 D6.4
Net-(D6-DOUT): D6.2 D7.4
Net-(J1-CEC): CR1.4 CR1.7 J1.13 U1.151
Net-(J1-HOT_PLUG_DETECT): J1.19 U1.153
Net-(J1-SCL): CR1.1 CR1.10 J1.15 R1.1 U1.200
Net-(J1-SDA): CR1.2 CR1.9 J1.16 R2.1 U1.199
Net-(J3-Pin_2): J3.2 U4.36
Net-(J3-Pin_3): J3.3 U4.37
Net-(J4-Pin_1): J4.1 U4.35
Net-(J4-Pin_2): J4.2 U4.34
Net-(J4-Pin_3): J4.3 U4.33
Net-(J4-Pin_4): J4.4 U4.32
Net-(J5-Pin_1): C60.1 C62.1 J5.1 L2.2 R22.2
Net-(J5-Pin_2): C59.2 C61.2 J5.2 L1.2 R21.1
Net-(J6-Pin_1): C65.2 C67.2 J6.1 L3.2 R23.1
Net-(J6-Pin_2): C66.1 C68.1 J6.2 L4.2 R24.2
Net-(J7-Pin_1): C89.1 C93.1 J7.1 L6.2 R32.2
Net-(J7-Pin_2): C88.2 C92.2 J7.2 L5.2 R31.1
Net-(J8-Pin_1): C91.1 C95.1 J8.1 L8.2 R34.2
Net-(J8-Pin_2): C90.2 C94.2 J8.2 L7.2 R33.1
Net-(J9-Pin_1): C116.1 C120.1 J9.1 L10.2 R41.2
Net-(J9-Pin_2): C115.2 C119.2 J9.2 L9.2 R40.1
Net-(J10-Pin_1): C118.1 C122.1 J10.1 L12.2 R43.2
Net-(J10-Pin_2): C117.2 C121.2 J10.2 L11.2 R42.1
Net-(J11-Pin_1): C146.1 C150.1 J11.1 L14.2 R52.2
Net-(J11-Pin_2): C145.2 C149.2 J11.2 L13.2 R51.1
Net-(J12-Pin_1): C148.1 C152.1 J12.1 L16.2 R54.2
Net-(J12-Pin_2): C147.2 C151.2 J12.2 L15.2 R53.1
Net-(J13-Pin_1): C174.1 C178.1 J13.1 L18.2 R62.2
Net-(J13-Pin_2): C173.2 C177.2 J13.2 L17.2 R61.1
Net-(J14-Pin_1): C176.1 C180.1 J14.1 L20.2 R64.2
Net-(J14-Pin_2): C175.2 C179.2 J14.2 L19.2 R63.1
Net-(J15-CC1): J15.A5 R3.2
Net-(J15-CC2): J15.B5 R65.2
Net-(J16-CC1): J16.A5 R7.2
Net-(J16-CC2): J16.B5 R66.2
Net-(J16-VBUS-PadA4): J16.A4 J16.A9 J16.B4 J16.B9
Net-(R6-Pad1): R6.1 U9.4
Net-(SW1-Pad1): SW1.1 U8.4
Net-(SW6A-B): SW6.2 U1.101
Net-(SW6B-B): SW6.5 U27.4
Net-(U1A-GLOBAL_EN): SW1.2 U1.99
Net-(U1A-PI_~{LED}_ACTIVITY): R5.1 U1.21
Net-(U1A-RUN_PG): U1.92 U8.2
Net-(U1A-~{RPIBOOT}): SW2.2 U1.93
Net-(U4-EN): C8.2 C9.1 R4.2 SW4.2 U4.3
Net-(U4-IO0): SW3.1 U4.27
Net-(U4-IO4): U4.4 U5.15
Net-(U4-IO5): U4.5 U5.14
Net-(U4-IO6): U4.6 U5.13
Net-(U4-IO7): U4.7 U5.12
Net-(U4-IO12): R14.2 U4.20
Net-(U5-CAPM): C20.2 U5.4
Net-(U5-CAPP): C20.1 U5.2
Net-(U5-LDOO): C22.1 C23.2 U5.18
Net-(U5-OUTL): R8.1 U5.6
Net-(U5-OUTR): R9.1 U5.7
Net-(U5-VNEG): C21.1 U5.5
Net-(U14-BCK): U4.18 U14.13
Net-(U14-CAPM): C29.2 U14.4
Net-(U14-CAPP): C29.1 U14.2
Net-(U14-DIN): U4.17 U14.14
Net-(U14-LDOO): C33.1 C34.2 U14.18
Net-(U14-LRCK): U4.12 U14.15
Net-(U14-OUTL): R10.1 U14.6
Net-(U14-OUTR): R11.1 U14.7
Net-(U14-SCK): U4.19 U14.12
Net-(U14-VNEG): C30.1 U14.5
Net-(U14-XSMT): U4.38 U5.17 U14.17
Net-(U17-BSNL): C58.1 U17.20
Net-(U17-BSNR): C56.1 U17.26
Net-(U17-BSPL): C57.1 U17.24
Net-(U17-BSPR): C55.1 U17.30
Net-(U17-FAULTZ): R17.1 U17.3
Net-(U17-GAIN/SLV): R18.2 R19.2 U17.8
Net-(U17-GVDD): C48.2 R18.1 U17.6 U17.7
Net-(U17-LINN): C46.2 U17.11
Net-(U17-OUTNL): C58.2 L4.1 U17.21
Net-(U17-OUTNR): C56.2 L2.1 U17.27
Net-(U17-OUTPL): C57.2 L3.1 U17.23
Net-(U17-OUTPR): C55.2 L1.1 U17.29
Net-(U17-RINN): C44.2 U17.5
Net-(U18-BSNL): C87.1 U18.20
Net-(U18-BSNR): C85.1 U18.26
Net-(U18-BSPL): C86.1 U18.24
Net-(U18-BSPR): C84.1 U18.30
Net-(U18-FAULTZ): R30.1 U18.3
Net-(U18-GAIN/SLV): R28.2 R29.2 U18.8
Net-(U18-GVDD): C75.2 R28.1 U18.6 U18.7
Net-(U18-LINN): C77.2 U18.11
Net-(U18-OUTNL): C87.2 L8.1 U18.21
Net-(U18-OUTNR): C85.2 L6.1 U18.27
Net-(U18-OUTPL): C86.2 L7.1 U18.23
Net-(U18-OUTPR): C84.2 L5.1 U18.29
Net-(U18-RINN): C76.2 U18.5
Net-(U18-SYNC): C127.1 R25.2 U18.16
Net-(U19-BSNL): C114.1 U19.20
Net-(U19-BSNR): C112.1 U19.26
Net-(U19-BSPL): C113.1 U19.24
Net-(U19-BSPR): C111.1 U19.30
Net-(U19-FAULTZ): R39.1 U19.3
Net-(U19-GAIN/SLV): R37.2 R38.2 U19.8
Net-(U19-GVDD): C102.2 R37.1 U19.6 U19.7
Net-(U19-LINN): C105.2 U19.11
Net-(U19-OUTNL): C114.2 L12.1 U19.21
Net-(U19-OUTNR): C112.2 L10.1 U19.27
Net-(U19-OUTPL): C113.2 L11.1 U19.23
Net-(U19-OUTPR): C111.2 L9.1 U19.29
Net-(U19-RINN): C103.2 U19.5
Net-(U19-SYNC): C128.1 R44.2 U19.16
Net-(U20-BSNL): C144.1 U20.20
Net-(U20-BSNR): C142.1 U20.26
Net-(U20-BSPL): C143.1 U20.24
Net-(U20-BSPR): C141.1 U20.30
Net-(U20-FAULTZ): R50.1 U20.3
Net-(U20-GAIN/SLV): R47.2 R48.2 U20.8
Net-(U20-GVDD): C131.2 R47.1 U20.6 U20.7
Net-(U20-LINN): C134.2 U20.11
Net-(U20-OUTNL): C144.2 L16.1 U20.21
Net-(U20-OUTNR): C142.2 L14.1 U20.27
Net-(U20-OUTPL): C143.2 L15.1 U20.23
Net-(U20-OUTPR): C141.2 L13.1 U20.29
Net-(U20-RINN): C132.2 U20.5
Net-(U20-SYNC): C140.1 R49.2 U20.16
Net-(U21-BSNL): C172.1 U21.20
Net-(U21-BSNR): C170.1 U21.26
Net-(U21-BSPL): C171.1 U21.24
Net-(U21-BSPR): C169.1 U21.30
Net-(U21-FAULTZ): R60.1 U21.3
Net-(U21-GAIN/SLV): R57.2 R58.2 U21.8
Net-(U21-GVDD): C159.2 R57.1 U21.6 U21.7
Net-(U21-LINN): C162.2 U21.11
Net-(U21-OUTNL): C172.2 L20.1 U21.21
Net-(U21-OUTNR): C170.2 L18.1 U21.27
Net-(U21-OUTPL): C171.2 L19.1 U21.23
Net-(U21-OUTPR): C169.2 L17.1 U21.29
Net-(U21-RINN): C160.2 U21.5
Net-(U21-SYNC): C168.1 R59.2 U21.16
Net-(U22-AD0): R69.1 U22.9
Net-(U22-CPOUT): C71.1 U22.20
Net-(U22-REGOUT): C72.1 U22.10
Net-(U23-CSB): R71.1 U23.2
Net-(U23-SDO): R70.2 U23.5
Net-(U27-~{OC}): R12.2 U27.3

Pads without a net: D7 2; J1 14; J15 A8 B8; J16 A8 B8; SW2 SH; SW3 SH; SW4 SH; U1 3 4 5 6 9 10 11 12 15 16 17 18 19 24 25 26 27 28 29 30 31 34 35 36 37 38 39 40 41 44 45 46 47 48 49 50 51 54 55 56 57 58 61 62 63 64 67 68 69 70 72 73 75 76 80 82 89 91 94 96 97 100 102 104 106 109 110 111 112 115 116 117 118 121 122 123 124 127 128 129 130 133 134 135 136 139 140 141 142 143 145 146 147 148 149 152 154 157 158 159 160 163 164 165 166 169 171 175 177 181 183 187 189 193 194 195 196; U4 15 16 25 26 28 29 30; U8 1; U9 1; U11 4; U15 A1; U16 C1; U22 1 2 3 4 5 6 7 11 14 15 16 17 19 21 22; U26 A1

## Via types
v1: diameter 0.8, hole 0.4, Top to Bottom, 2001 vias

## Routing (per net, layer and track width the routed paths; a pad name or vN(x,y) marks a point on that pad's centre or on a via; arc(x,y) is an arc through that point)
3V3: length 440.7
  Top w0.2: U1.84 122.3,83.12 ; 122.3,83.12 122,83.12 121.95,83.17 121.95,83.27 ; 122.3,83.12 122.6,83.12 ; U23.8 56.89,62.93 v1(56.6,63.22) ; v1(50,66.42) 51.6,64.82 R67.1 ; 121.95,83.27 122.2,83.52 U1.86 ; 121.95,83.27 121.9,83.22 121.9,82.42 122.4,81.92 U1.78 ; v1(59,59.42) 58.57,59.84 R70.1 58.9,61.84 U23.6 58.9,63.19 59.23,63.52 60.93,63.52 C186.1 62.12,63.34 62.2,63.42 v1(62.2,64.42) ; R68.2 53.1,65.52 v1(54,66.42) ; R71.2 59.62,68.04 v1(60,68.42) ; v1(112.17,34.19) 112.05,34.3 R2.2 ; v1(51.4,57.12) 51.62,56.89 52.53,56.89 52.8,57.16 U22.8 ; U22.13 56.47,58.32 C185.1
  Top w0.25: R1.2 112.88,32.42 v1(111.7,32.42) ; v1(88.78,42.04) 88.8,42.02 SW6.1 ; D4.2 115.12,43.52 115.45,43.84
  Top w0.3: R4.1 84.47,120.62 v1(84.4,120.55)
  Top w0.5: v1(57.4,127.02) C38.2 58.66,126.89 D6.1 ; v1(40.1,126.52) 40.2,126.62 41.2,126.62 v1(41.5,126.32) ; v1(40.1,126.52) 40.1,126.42 39.56,125.88 38.76,125.88 ; v1(40.1,126.52) 40.5,126.12 C18.1 ; D4.2 114.76,42.92 v1(115.1,42.92) ; C25.1 35.76,115.22 ; C6.1 C7.1 ; v1(33.8,114.92) 34,114.92 ; v1(70.7,127.02) C42.2 72.06,125.38 D2.1 ; C18.1 39.33,125.32 38.76,125.88 ; C18.1 v1(41.5,126.32) ; v1(41.5,126.32) 41.3,126.52 41,126.52 40.7,126.22 ; v1(91.4,43.72) 91.78,44.09 98.38,44.09 D3.2 ; 38.76,125.88 C19.2 37.4,127.24 35.6,127.24 ; D5.1 65.31,125.25 C39.2 v1(64,127.02) ; D7.1 52.04,126.85 C37.2 52.11,126.92 v1(50.8,126.92) ; U4.2 91.28,119.3 v1(91.3,119.32) ; 35.24,115.85 35.2,115.82
  Top w1: C25.1 34.6,115.82 v1(33.8,115.82) v1(33.8,114.92) 34.9,114.92 C25.1 ; C25.1 35.84,115.85 v1(37.24,115.85) v1(36.6,115.22) ; C25.1 36.05,114.37 36.6,114.37 35.86,113.63 35.86,113.29 ; C25.1 v1(36.6,115.22) ; C185.1 58.43,58.84 v1(59,59.42) ; v1(36.6,115.22) 36.6,115.22 C26.2 36.38,113.29 35.86,113.29 ; 34.9,114.22 35.83,113.29 35.86,113.29 ; C6.1 88.46,119.3 U4.2
  Top w2: 67.38,61.2 67.07,60.89 62.06,60.89 60.59,59.42 v1(59,59.42) ; 67.38,61.2 64.26,64.32 62.8,64.32 ; 67.38,61.2 75.69,52.89 79.09,52.89 87.33,44.65 87.33,43.49 v1(88.78,42.04)
  In2.Cu w0.5: 102.19,115.51 98.2,111.52 v1(94.1,111.52)
  In2.Cu w1: v1(88.78,42.04) 90.46,43.72 v1(91.4,43.72) ; v1(50.8,126.92) 52.5,125.22 52.5,123.59 ; 58.6,123.59 57.4,124.79 v1(57.4,127.02) ; 114.86,32.42 113.94,32.42 v1(112.17,34.19) ; 114.86,32.42 v1(111.7,32.42) ; 114.86,32.42 115.79,31.49 117.63,31.49 118.43,32.29 121.97,32.29 123.1,33.42 123.1,41.07 121.26,42.92 116.3,42.92 ; 64.1,123.59 64,123.69 v1(64,127.02) ; v1(70.7,127.02) 70.7,124 ; 116.3,42.92 v1(115.1,42.92) 115.1,44.32 ; 116.3,42.92 115.1,44.12 115.1,44.32 ; 115.1,44.32 v1(115.1,53.22) ; 121.64,82.32 v1(121.85,82.32) 121.85,83.22 v1(121.8,83.27)
  In2.Cu w2: 61.84,64.42 60,66.25 v1(60,68.42) ; 61.84,64.42 v1(62.2,64.42) ; 61.84,64.42 60.51,65.75 57.67,65.75 55.37,63.45 55.37,60.98 56.94,59.42 v1(59,59.42) 53.7,59.42 v1(51.4,57.12) ; 121.64,82.32 118.89,79.56 118.89,57.01 v1(115.1,53.22) ; 56.27,63.22 54,65.49 v1(54,66.42) v1(50,66.42)
  In2.Cu w3: 42,124.59 49.07,124.59 50.07,123.59 70.29,123.59 70.7,124 74.15,120.55 v1(84.4,120.55) 97.52,120.55 102.19,115.88 102.19,115.51 103.57,114.13 103.57,109.05 104.8,107.82 107.48,107.82 118.89,96.4 118.89,86.06 121.68,83.27 v1(121.8,83.27) ; 42,124.59 39.47,122.06 39.47,117.62 37.44,115.59 35.33,115.59 34.9,115.16 ; 42,124.59 41.2,125.39 40.7,125.39
  Bottom w0.5: v1(94.1,111.52) 93.78,111.84 J3.4
  Bottom w2: v1(88.78,42.04) 89.18,41.64 89.18,41.17 91.46,38.89 95.54,38.89 108.73,52.07 113.96,52.07 v1(115.1,53.22)
  vias: v1(92.2,119.32) v1(93.2,119.32)
3V3_A: length 188.7
  Top w0.3: U26.B2 12.9,99.96 13.42,99.44 14.45,99.44 v1(14.61,99.6) ; U16.B2 v1(16.3,101.82) ; U24.B2 16.5,120.52 v1(16.1,120.92) ; v1(24.5,103.12) 24.75,102.87 U25.B2 ; U15.B2 21.3,103.42 v1(21.1,103.62) ; U12.B2 17.8,117.02 v1(18,117.22) ; U13.B2 21.3,106.42 v1(21.1,106.62)
  Top w0.5: v1(30.8,106.12) 30.8,105.72 30.4,105.32 30.2,105.32 ; v1(30.8,106.12) 30.4,105.72 30.2,105.72 ; v1(30.8,106.12) v1(30.8,105.12) ; v1(9.7,122.42) 9.2,122.42 ; v1(9.7,122.42) 9.4,122.42 8.9,121.92 8.5,122.32 C13.2 ; v1(9.7,122.42) 9.7,122.12 9.1,121.52 ; v1(9.7,122.42) v1(9.7,124.22) 9.7,122.92 9.2,122.42 ; 9.2,122.42 8.08,122.42 C13.2 ; C13.2 8.78,121.52 9.1,121.52 ; C13.2 8,122.29 U11.5 ; 30.2,105.72 29.9,105.72 C32.1 ; 30.2,105.72 30.5,105.42 ; v1(27.6,127.12) C17.2 28.2,127.24 29.88,127.24 ; 24.83,125.22 24.83,125.64 v1(25,125.82) ; 24.83,125.22 25.1,124.94 v1(25.1,124.92) 23.83,124.92 ; 24.83,125.22 C16.1 ; v1(23.2,123.92) v1(24.1,123.92) 24.1,125.12 24,125.22 ; v1(23.2,123.92) 23.3,123.92 23.7,124.32 ; v1(23.2,123.92) 23.2,124.42 24,125.22 ; 31,119.82 C15.1 ; 31,119.82 31,119.62 v1(31.7,118.92) ; 31,119.82 v1(31.7,119.82) v1(31.7,118.92) ; C15.1 30.5,118.92 v1(31.7,118.92) ; C15.1 29.2,119.12 C14.2 28.15,121.83 29.01,122.69 U5.8 ; v1(9.7,121.52) 9.1,121.52 ; 24,125.22 24.3,124.92 ; 30.5,105.42 30.2,105.12 C32.1 ; 30.5,105.42 v1(30.8,105.12) ; C32.1 28.7,105.72 v1(28,105.72) v1(28,106.62) ; C32.1 28.05,106.37 C31.2 28.67,108.49 U14.8 ; C32.1 v1(30.8,105.12)
  Top w1: C28.2 27.4,114.54 v1(27.4,113.52) ; C28.2 26.88,114.42 v1(25.5,114.42) 24.8,114.42 C27.1 27.2,113.72 v1(27.4,113.52) ; C28.2 28.65,113.29 ; 28.65,113.29 27.62,113.29 v1(27.4,113.52) ; 28.65,113.29 30.14,113.29
  In2.Cu w0.75: 13.1,99.22 14.23,99.22 v1(14.61,99.6)
  In2.Cu w1: 17.28,102.8 16.93,103.15 13.83,103.15 12.2,101.52 12.3,101.42 12.3,100.02 13.1,99.22
  In2.Cu w1.5: v1(28,106.62) 28.03,106.58 28.03,105.68 28.6,105.12 v1(30.8,105.12) ; v1(28,106.62) 26.5,108.12 ; v1(28,106.62) 30.11,106.62 30.71,106.02 ; 25.65,123.37 26.55,124.27 ; 25.65,123.37 25.52,123.24 23.88,123.24 v1(23.2,123.92) 23.2,124.02 v1(25,125.82) 26.55,124.27 ; 25.65,123.37 25.08,122.8 22.7,122.8 ; 26.55,124.27 27.53,123.29 27.53,122.8 ; v1(24.1,123.92) v1(25.1,124.92) ; 27.6,126.95 27.53,126.95 27.53,122.8 ; 26.5,108.12 23.11,108.12 ; 26.5,108.12 v1(26.5,113.52) 18.82,121.2 ; 18.82,121.2 20.42,122.8 22.7,122.8 ; 18.82,121.2 15.37,121.2 14.89,120.72 14.1,120.72 ; 23.11,108.12 22.36,107.36 ; 23.11,108.12 23.11,105.32 24.81,103.62 ; 22.36,107.36 21.53,106.54 21.33,106.54 ; 22.36,107.36 22.58,107.14 22.58,104.09 21.29,102.8 17.28,102.8 16.58,102.1 16.58,101.82 ; 22.7,122.8 27.53,122.8 ; 27.53,122.8 31.41,118.92 v1(31.7,118.92) 30.3,118.92 v1(28.2,121.02) ; 18,116.94 16.78,115.72 15.5,115.72 14.1,117.12 14.1,120.72 ; 14.1,120.72 10.5,120.72 v1(9.7,121.52) v1(9.7,124.22)
  vias: v1(9.7,123.32) v1(25.5,113.52) v1(28.2,121.82)
